# Altium PCB druino_uno_pcb.PcbDoc (part 2 of 3)
Units mm, origin at the board's own origin, x right, y up, seen from the top; angles counter-clockwise.
Board outline 68.58 x 53.34 mm, 4 copper layers (TOP, PWR, GND, BOT), stack 1.466 mm thick; 226 components, 133 nets, 716 pads, 313 vias.
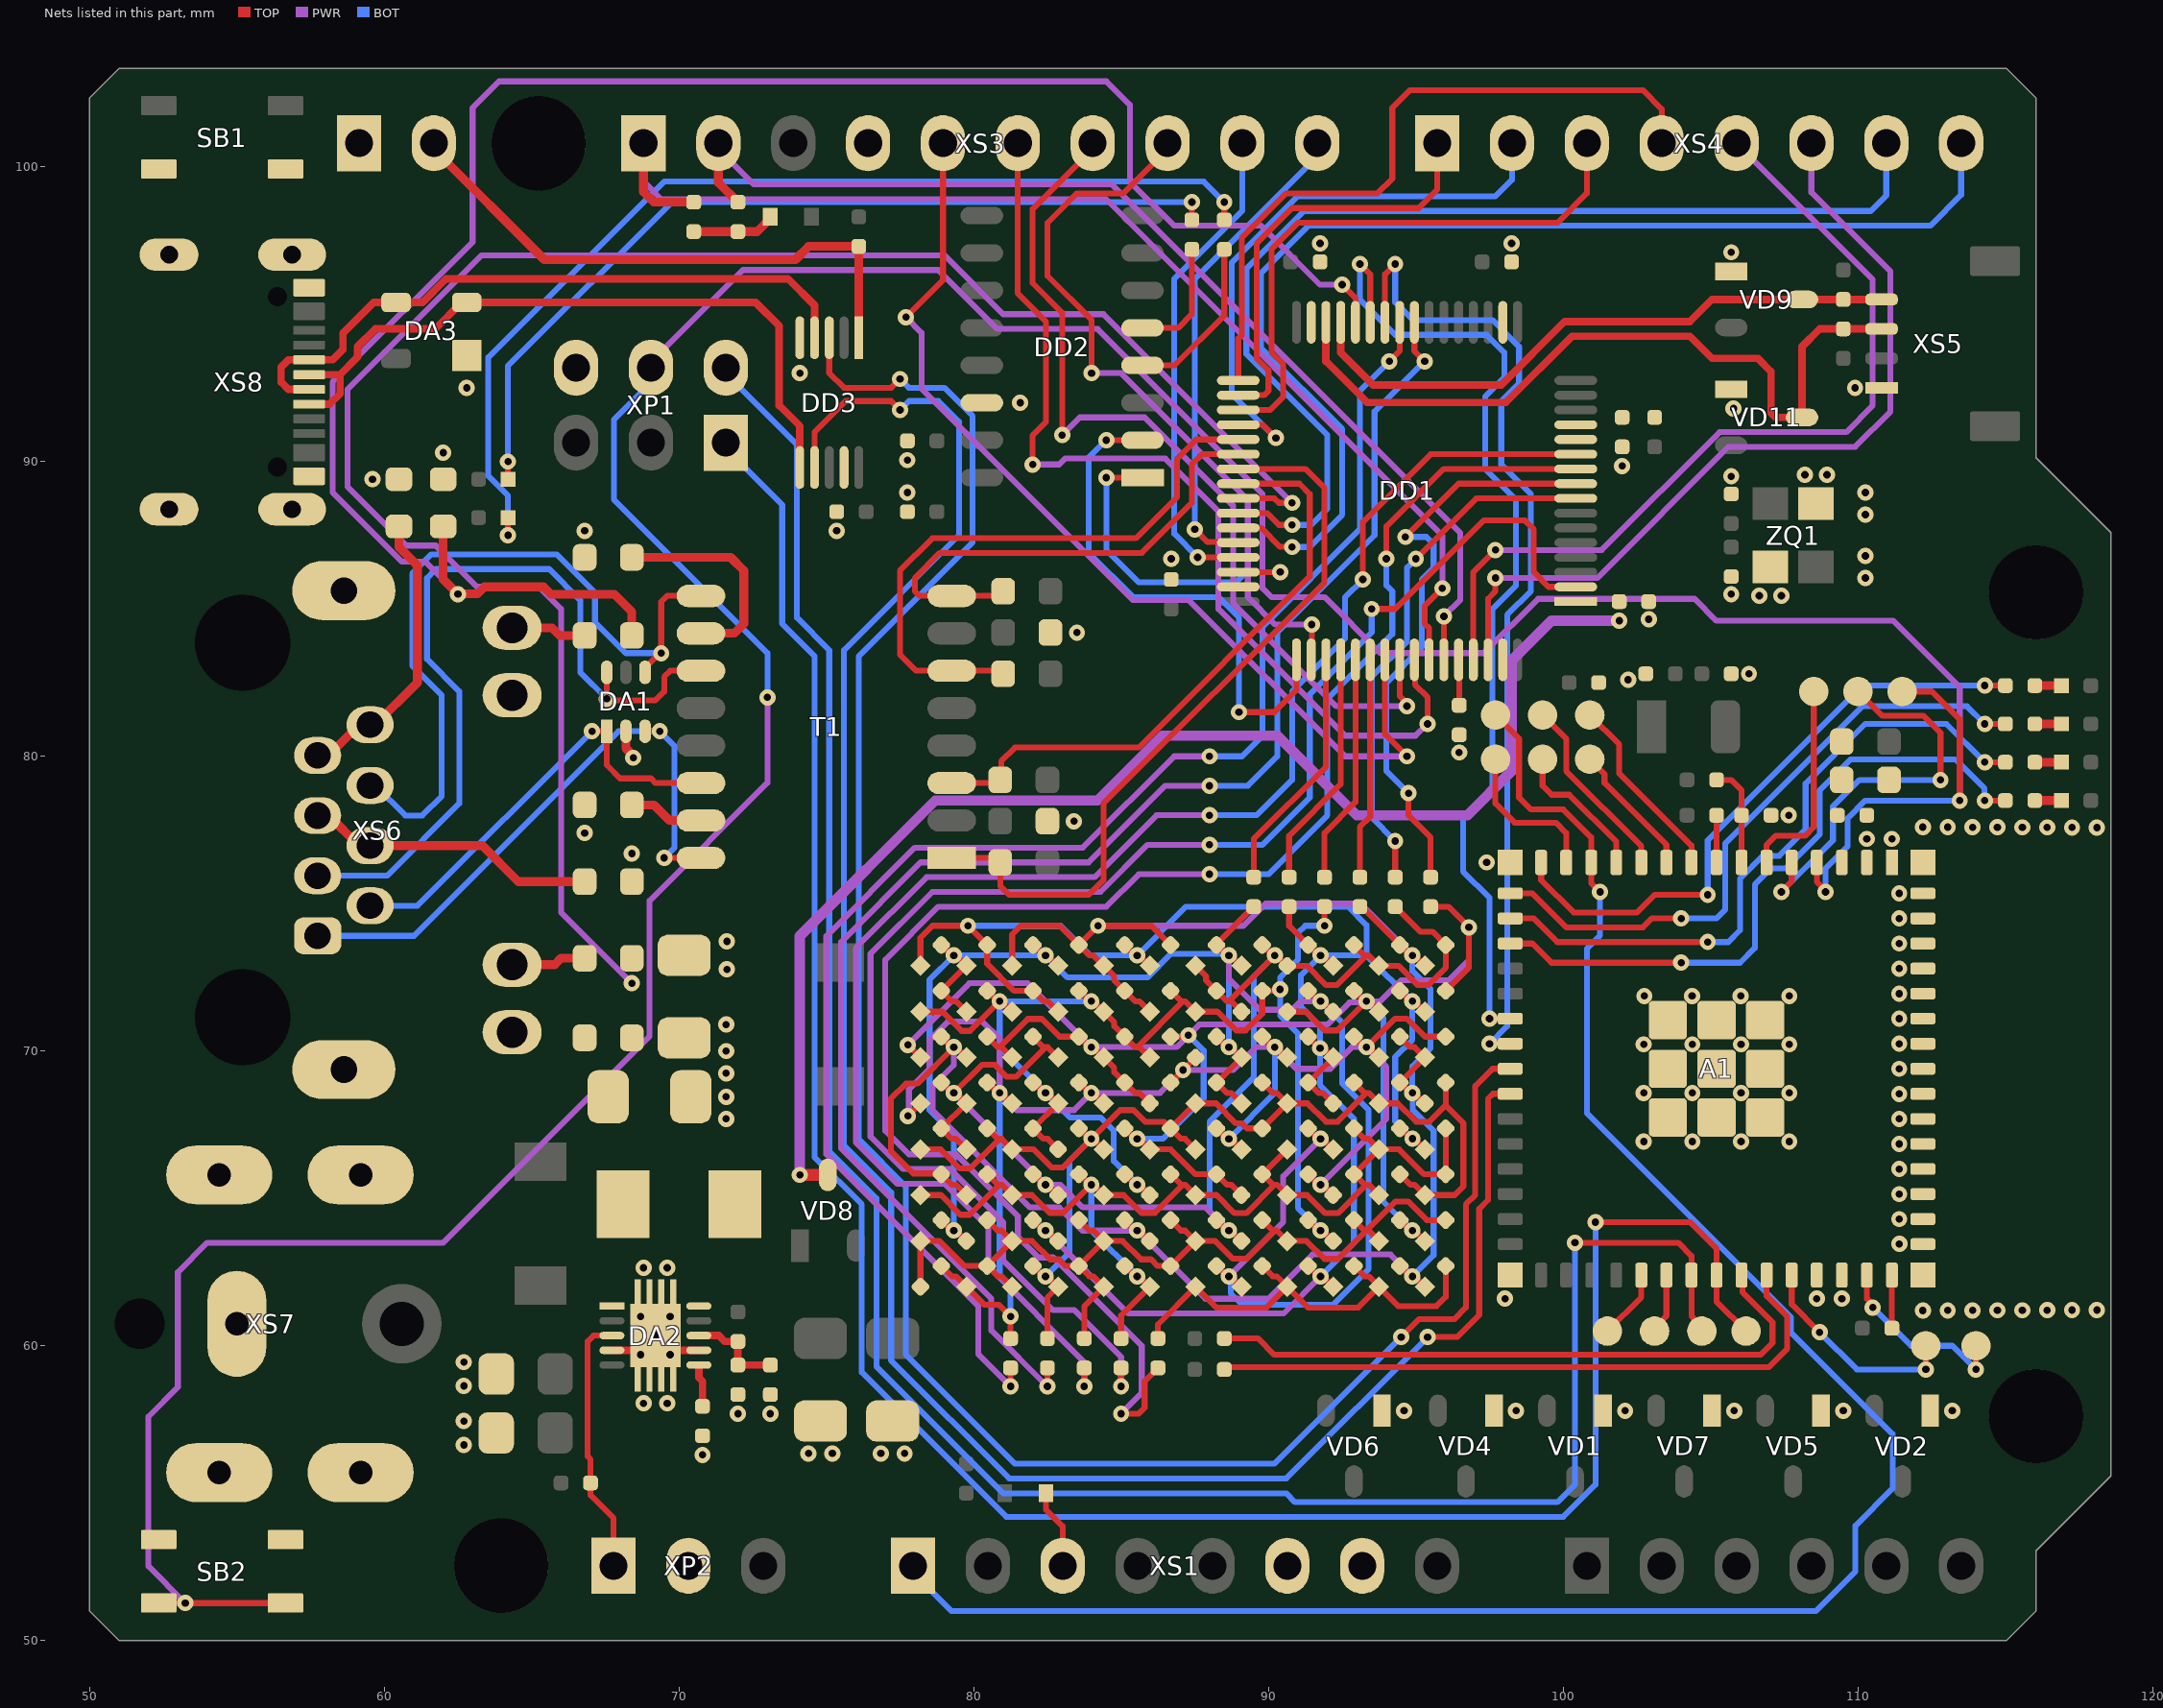
[diagram p4: the nets of this part, all layers, seen from the top]

## Via types
v1: diameter 0.55, hole 0.25, TOP to BOT, tented both sides, 313 vias

## Nets (pads, with @x,y where several pads share a name; then routed paths per layer and width w, separated by ;. In a path a pad name is that pad's centre, name@x,y a point inside that pad or via, vN(x,y) a via of type N, cw(c..) or ccw(c..) an arc to the next point about the centre after c; other vN are vias at no path point) (continued)
CH32_SWCLK: DD1.49 DD2.2 | length 17.8
  TOP w0.2: v1(84.5,90.725) DD2.2@85.725,90.725 ; v1(89,81.5) 90.2,81.5 90.95,82.25 DD1.49@90.95,83.275
  BOT w0.2: v1(84.5,90.725) 83.9,90.125 83.9,86.9 85.4,85.4 88.3,85.4 89,84.7 v1(89,81.5)
CH32_SWDIO: DD1.46 DD2.1 | length 11.4
  TOP w0.2: v1(84.5,89.455) DD2.1@85.725,89.455 ; DD1.46@88.975,86.25 v1(90.4,86.25)
  BOT w0.2: v1(84.5,89.455) 84.5,87 85.6,85.9 88.9,85.9 89.25,86.25 v1@90.2,86.25
CHANNEL_RX: A1.21 DD1.27 | length 34.1
  TOP w0.2: v1(93.1,96.7) 93.45,96.35 DD1.27@93.45,94.725 ; v1(97.5,71.1) A1.21@98.2,71.1
  BOT w0.2: v1(93.1,96.7) 93.1,95.5 94.3,94.3 97.4,94.3 98,93.7 98,92.85 97.35,92.2 97.35,89.75 98.4,88.7 98.4,85.8 97.6,85 97.6,78.9 96.6,77.9 96.6,76.1 97.5,75.2 v1(97.5,71.1)
CHANNEL_TX: A1.22 DD1.26 | length 33.8
  TOP w0.2: DD1.26@93.95,94.725 93.95,96.35 v1(94.3,96.7) ; v1(97.5,70.25) A1.22@98.2,70.25
  BOT w0.2: v1(94.3,96.7) 94.3,95.4 94.9,94.8 97.6,94.8 98.5,93.9 98.5,92.65 97.9,92.05 97.9,89.9 98.9,88.9 98.9,85.6 98.1,84.8 98.1,70.85 v1(97.5,70.25)
D0_RX: DD1.43 XS4.8 | length 40.2
  TOP w0.2: DD1.43@88.975,87.75 89.75,87.75 90.393,87.107 90.793,87.107 v1(90.8,87.1)
  BOT w0.2: v1(90.8,87.1) 91.4,87.1 92.5,88.2 92.5,91.1 89.75,93.85 89.75,96.4 91.35,98 112.45,98 113.5,99.05 XS4.8@113.5,100.8
D1_TX: DD1.42 XS4.7 | length 37.2
  TOP w0.2: DD1.42@88.975,88.25 89.95,88.25 90.35,87.85 v1(90.8,87.85)
  BOT w0.2: v1(90.8,87.85) 91.45,87.85 92,88.4 92,90.9 89.25,93.65 89.25,96.55 91.2,98.5 110.43,98.5 110.96,99.03 XS4.7@110.96,100.8
D2: DD1.62 XS4.6 | length 28.8
  TOP w0.2: DD1.62@97.45,83.275 97.45,85.35 97.7,85.6 v1(97.7,86.05)
  PWR w0.2: v1(97.7,86.05) 101.15,86.05 105.6,90.5 109.9,90.5 111.1,91.7 111.1,96.45 108.42,99.13 XS4.6@108.42,100.8
D3: DD1.61 XS4.5 | length 29.7
  TOP w0.2: DD1.61@96.95,83.275 96.95,86.25 v1(97.7,87)
  PWR w0.2: v1(97.7,87) 101.3,87 105.3,91 109.6,91 110.5,91.9 110.5,96.18 XS4.5@105.88,100.8
D4: DD1.33 XS4.4 | length 24
  TOP w0.2: DD1.33@88.975,92.75 88.975,94.175 89.1,94.3 89.1,97.6 90.6,99.1 93.7,99.1 94.2,99.6 94.2,102 94.8,102.6 102.7,102.6 103.34,101.96 XS4.4@103.34,100.8
D5: DD1.35 XS4.3 | length 20.1
  TOP w0.2: DD1.35@88.975,91.75 90.05,91.75 90.5,92.2 90.5,93.3 90.1,93.7 90.1,97.2 91,98.1 99.8,98.1 100.8,99.1 XS4.3@100.8,100.8
D6: DD1.36 XS4.2 | length 19.9
  TOP w0.2: DD1.36@88.975,91.25 89.8,91.25 v1(90.25,90.8)
  BOT w0.2: v1(90.25,90.8) 88.75,92.3 88.75,96.75 91,99 97.7,99 98.26,99.56 XS4.2@98.26,100.8
D7: DD1.34 XS4.1 | length 14.7
  TOP w0.2: DD1.34@88.975,92.25 89.85,92.25 90,92.4 90,93.1 89.6,93.5 89.6,97.4 90.8,98.6 95.1,98.6 95.72,99.22 XS4.1@95.72,100.8
D8: DD1.44 XS3.10 | length 16.5
  TOP w0.2: v1(87.5,87.7) 87.931,87.269 88.956,87.269 DD1.44@88.975,87.25
  BOT w0.2: v1(87.5,87.7) 87.5,96.2 91.656,100.356 XS3.10@91.656,100.8
D9: DD1.45 XS3.9 | length 16.8
  TOP w0.2: v1@87.5,86.75 DD1.45@88.975,86.75
  BOT w0.2: v1(87.6,86.75) 86.8,87.55 86.8,96.2 89.116,98.516 XS3.9@89.116,100.8
D10_FSS#: DD1.50 XS3.8 | length 25.2
  TOP w0.2: v1(84,93) 84,94.8 82.5,96.3 82.5,98.1 83.5,99.1 85.076,99.1 86.576,100.6 XS3.8@86.576,100.8 ; DD1.50@91.45,83.275 91.469,83.294 v1(91.469,84.469)
  PWR w0.2: v1(84,93) 85,93 89.3,88.7 89.3,85.4 90.231,84.469 v1(91.469,84.469) v1@91.5,84.5
D11_DIN: DD1.56 XS3.7 | length 30.8
  TOP w0.2: v1(83,90.9) 83,95.05 82,96.05 82,98.564 84.036,100.6 XS3.7@84.036,100.8 ; DD1.56@94.45,83.275 94.45,82.045 94.7,81.795 v1(94.7,81.7)
  PWR w0.2: v1(83,90.9) 83.6,91.5 85.8,91.5 88.8,88.5 88.8,85.2 92.3,81.7 v1(94.7,81.7)
D12_DOUT: DD1.57 XS3.6 | length 33.3
  TOP w0.2: XS3.6@81.496,100.8 81.496,95.704 82.45,94.75 82.45,91.339 82,90.889 v1(82,89.9) ; DD1.57@94.95,83.275 94.969,83.256 94.969,82.431 95.4,82 v1(95.4,81.1)
  PWR w0.2: v1(82,89.9) 82.9,89.9 83.1,90.1 86.5,90.1 88.3,88.3 88.3,85 92.6,80.7 94.987,80.7 95.387,81.1 v1(95.4,81.1)
D13_SCLK: DD1.55 XS3.5 | length 34.3
  TOP w0.2: v1(77.7,94.9) 78.956,96.156 XS3.5@78.956,100.8 ; DD1.55@93.95,83.275 93.95,80.75 v1(94.7,80)
  PWR w0.2: v1(77.7,94.9) 78.232,94.368 78.232,92.468 85.4,85.3 87.3,85.3 92.6,80 v1(94.7,80)
D18_SDA: DD1.59 R7.2 XS3.2 | length 37.6
  TOP w0.2: DD1.59@95.95,83.275 v1(95.95,84.75)
  TOP w0.3: XS3.2@71.336,100.8 71.336,99.464 R7.2@72,98.8
  PWR w0.2: XS3.2@71.336,100.8 71.336,100.6 72.536,99.4 84.687,99.4 96.5,87.587 96.5,85.3 v1(95.95,84.75)
D19_SCL: DD1.58 R6.2 XS3.1 | length 41.4
  TOP w0.2: DD1.58@95.45,83.275 95.45,84.35 95.3,84.5 95.3,85.1 v1(95.9,85.7)
  TOP w0.3: XS3.1@68.796,100.8 68.796,99.154 69.15,98.8 R6.2@70.5,98.8
  PWR w0.2: XS3.1@68.796,100.8 68.796,99.504 69.4,98.9 84.488,98.9 95.9,87.488 v1(95.9,85.7)
EGND: C15.1 DA1.2 R22.1 R23.1 R24.1 R25.1 | length 0.9
  TOP w0.3: DA1.2@68.2,80.85 68.2,80.268 v1@68.45,80.018
  other v1: 71.625,72.775 71.625,73.725 68.4,76.7 66.8,77.4 68.45,79.95 66.8,87.65 59.6,89.4
ESP32_IO: A1.13 KT14.1 XS1.1 | length 69.5
  TOP w0.2: KT14.1@97.7,81.4 98.5,80.6 98.5,78.6 98.9,78.2 99.997,78.2 100.95,77.247 A1.13@100.95,76.4 100.95,75.7 v1(101.25,75.4)
  BOT w0.2: XS1.1@77.94,52.54 78.59,51.89 78.59,51.66 79.25,51 108.565,51 109.91,52.345 109.91,53.897 111.175,55.162 111.175,57.012 107.725,60.462 107.725,60.975 100.8,67.9 100.8,73.475 101.25,73.925 v1(101.25,75.4)
ESP32_LED0: A1.15 R8.2 | length 21.1
  TOP w0.2: A1.15@99.25,76.4 99.251,76.399 99.251,75.799 100.35,74.7 102.5,74.7 103.1,75.3 v1(104.9,75.3) ; v1(114.3,82.4) R8.2@115,82.4
  BOT w0.2: v1(104.9,75.3) 104.9,77.15 110.15,82.4 v1(114.3,82.4)
ESP32_LED1: A1.16 R9.2 | length 22
  TOP w0.2: A1.16@98.2,75.35 98.95,75.35 100.1,74.2 102.7,74.2 103.01,74.51 103.99,74.51 v1(104,74.5) ; v1(114.3,81.1) R9.2@115,81.1
  BOT w0.2: v1(104,74.5) 105.2,74.5 105.5,74.8 105.5,77.05 110.15,81.7 113.7,81.7 v1(114.3,81.1)
ESP32_LED2: A1.17 R10.2 | length 22.7
  TOP w0.2: A1.17@98.2,74.5 99,74.5 99.8,73.7 v1(104.9,73.7) ; v1(114.3,79.8) R10.2@115,79.8
  BOT w0.2: v1(104.9,73.7) 105.6,73.7 106,74.1 106,75.85 106.775,76.625 107.325,76.625 108.225,77.525 108.225,79.075 110.25,81.1 113,81.1 v1(114.3,79.8)
ESP32_LED3: A1.18 R11.2 | length 22.9
  TOP w0.2: A1.18@98.2,73.65 98.95,73.65 99.6,73 v1(104,73) ; v1(114.3,78.5) R11.2@115,78.5
  BOT w0.2: v1(104,73) 106,73 106.5,73.5 106.5,75.65 107.05,76.2 107.55,76.2 108.7,77.35 108.7,78.85 109.75,79.9 113.3,79.9 114.293,78.907 114.293,78.507 v1(114.3,78.5)
ESP32_RESET#: A1.45 R14.1 | length 1.8
  TOP w0.2: R14.1@111.15,60.6 A1.45@111.15,62.4
ESP32_RX: A1.39 R13.2 | length 21.7
  TOP w0.2: R13.2@88.5,60.25 89.65,60.25 90.2,59.7 106.7,59.7 107.1,60.1 107.1,60.8 106.076,61.824 106.076,62.374 A1.39@106.05,62.4
ESP32_TX: A1.40 R12.2 | length 22.2
  TOP w0.2: R12.2@88.5,59.2 88.575,59.275 106.975,59.275 107.6,59.9 107.6,60.996 106.901,61.694 106.901,62.399 A1.40@106.9,62.4
ESP32_USB_N: A1.23 DD3.3 | length 72.8
  TOP w0.2: DD3.3@75.1,94.2 75.1,93 75.6,92.5 77.2,92.5 v1(77.5,92.8) ; v1(94.5,60.3) 95.1,60.9 96.3,60.9 96.7,61.3 96.7,64.8 97.014,65.114 97.014,68.814 97.6,69.4 A1.23@98.2,69.4
  BOT w0.2: v1(77.5,92.8) 77.8,92.5 79,92.5 79.96,91.54 79.96,87.26 76.1,83.4 76.1,67 77.7,65.4 77.7,59.7 81.4,56 90.2,56 v1(94.5,60.3)
ESP32_USB_P: A1.24 DD3.7 | length 73.4
  TOP w0.2: DD3.7@74.6,89.8 74.606,89.806 74.606,91.006 75.65,92.05 77.2,92.05 v1(77.5,91.75) ; v1(95.4,60.3) 96.4,60.3 97.15,61.05 97.15,64.65 97.45,64.95 97.45,68.383 97.617,68.55 A1.24@98.2,68.55
  BOT w0.2: v1(77.5,91.75) 77.8,92.05 78.8,92.05 79.5,91.35 79.5,87.5 75.6,83.6 75.6,66.8 77.2,65.2 77.2,59.5 81.2,55.5 90.6,55.5 v1(95.4,60.3)
ESP_DOWNLOAD: A1.4 KT7.1 SB2.1 SB2.2 XP1.4 | length 134.9
  TOP w0.2: SB2.2@52.35,51.275 v1(53.25,51.275) SB2.1@56.65,51.275 ; A1.4@108.6,76.4 108.6,75.748 108.9,75.448 v1(108.9,75.4) ; KT7.1@111.5,82.2 112.5,82.2 113.45,81.25 v1(113.45,78.5)
  PWR w0.2: v1(53.25,51.275) 52,52.525 52,57.6 53,58.6 53,62.5 54,63.5 62,63.5 69,70.5 69,75.1 73,79.1 v1(73,82) ; XP1.4@69.05,93.18 69.05,93.38 72.17,96.5 78.8,96.5 80.8,94.5 84.2,94.5 89.8,88.9 89.8,85.7 90.1,85.4 91.9,85.4 93.8,83.5 97.3,83.5 99.144,85.344 104.456,85.344 105.2,84.6 111.2,84.6 113.45,82.35 v1(113.45,78.5)
  BOT w0.2: XP1.4@69.05,93.18 69.05,92.68 67.8,91.43 67.8,88.7 73,83.5 v1(73,82) ; v1(108.9,75.4) 108.9,76.2 109.65,76.95 109.65,77.9 110.25,78.5 v1(113.45,78.5)
ETH10_RX_N: DD1.38 R21.2 T1.8 | length 17.1
  TOP w0.2: R21.2@81,85.6 80.845,85.445 T1.8@79.255,85.445 78.155,85.445 78,85.6 78,86.05 78.85,86.9 85.7,86.9 87.4,88.6 87.4,89.9 87.75,90.25 DD1.38@88.975,90.25
ETH10_RX_P: DD1.37 R19.2 T1.6 | length 20.7
  TOP w0.2: R19.2@81,82.8 80.895,82.905 T1.6@79.255,82.905 78.045,82.905 77.5,83.45 77.5,86.3 78.6,87.4 85.5,87.4 86.9,88.8 86.9,90.1 87.55,90.75 DD1.37@88.975,90.75
ETH10_TX_N: DD1.40 R18.1 T1.3 | length 20.8
  TOP w0.2: T1.3@79.255,79.095 80.795,79.095 80.933,79.233 80.933,79.833 81.4,80.3 85.6,80.3 91.4,86.1 91.4,88.9 91.05,89.25 DD1.40@88.975,89.25
ETH10_TX_P: DD1.39 R20.1 T1.1 | length 25.9
  TOP w0.2: T1.1@79.255,76.555 80.745,76.555 R20.1@80.9,76.4 80.9,75.6 81.2,75.3 83.9,75.3 84.4,75.8 84.4,78.4 91.9,85.9 91.9,89.1 91.25,89.75 DD1.39@88.975,89.75
GND: A1.1 A1.2 A1.42 A1.43 A1.46 A1.47 A1.48 A1.49 A1.50 A1.51 A1.52 A1.53 A1.54 A1.55 A1.56 A1.57 A1.58 A1.59 A1.60 A1.EP C1.2 C2.2 C3.2 C4.2 C5.2 C6.2 C7.1 C8.2 C9.2 C10.1 C11.1 C12.2 C13.1 C14.1 C15.2 C16.1 C17.1 C18.1 C19.2 C20.2 C21.1 C22.1 C23.2 C24.2 C25.2 DA2.4 DA2.7 DA2.EP DA3.1 DD1.12 DD1.18 DD1.31 DD1.47 DD1.63 DD2.14 DD3.5 DD3.9 R2.2 R4.2 R16.2 R28.1 R31.2 SB1.1 SB1.2 SB2.3 SB2.4 VD1.1 VD2.1 VD4.1 VD5.1 VD6.1 VD7.1 VD9.1 VD11.1 XP1.6 XP2.2 XP3.1 XS1.6 XS1.7 XS3.4 XS5.1 XS6.9 XS6.11 XS7.2 XS7.3 XS8.A1 XS8.B1 XS8.M1 XS8.M2 XS8.M3 XS8.M4 ZQ1.2 ZQ1.4 | length 2.1
  TOP w0.25: DA2.4@67.725,59.85 68.55,59.85 v1(68.7,59.7) ; v1(69.7,59.7) 69.85,59.85 DA2.7@70.675,59.85
  other v1: 70.8,56.3 74.395,56.35 75.205,56.35 76.85,56.35 77.655,56.35 62.7,56.64 62.7,57.45 72,57.7 73.1,57.7 94.6,57.8 98.4,57.8 102.1,57.8 105.8,57.8 109.5,57.8 113.2,57.8 68.8,58.05 69.6,58.05 62.7,58.64 62.7,59.45 69.2,60.35 68.7,61 69.7,61 112.2,61.2 113.044,61.202 113.887,61.204 114.731,61.207 115.574,61.209 116.418,61.211 117.261,61.213 118.105,61.215 98.025,61.6 108.6,61.6 109.45,61.6 68.8,62.65 69.6,62.65 111.402,63.456 111.4,64.3 111.4,65.15 111.4,66 111.4,66.85 102.73,66.93 104.38,66.93 106.03,66.93 107.67,66.93 71.6,67.7 111.4,67.7 71.6,68.45 111.4,68.55 102.73,68.58 104.38,68.58 106.03,68.58 107.67,68.58 71.6,69.25 111.4,69.4 71.6,70 102.73,70.23 104.38,70.23 106.03,70.23 107.67,70.23 111.4,70.25 71.6,70.9 111.4,71.1 102.75,71.87 104.37,71.87 106.02,71.87 107.67,71.87 111.4,71.95 111.4,72.8 111.4,73.65 111.4,74.5 111.4,75.35 97.4,76.4 110.3,77.2 111.15,77.2 112.2,77.6 113.044,77.598 113.887,77.596 114.731,77.593 115.574,77.591 116.418,77.589 117.261,77.587 118.105,77.585 83.4,77.8 107.65,78 96.469,80.131 102.2,82.6 106.3,82.8 83.5,84.2 102.9,84.65 106.65,85.45 107.4,85.45 105.7,85.5 110.25,86.05 86.7,86.7 110.25,86.8 75.35,87.65 110.25,88.2 77.75,88.95 110.25,88.95 105.7,89.5 108.2,89.55 108.95,89.55 102,89.85 77.75,90.05 62,90.3 105.775,91.8 81.575,91.995 62.8,92.5 109.9,92.5 74.1,93 105.7,97.1 91.75,97.4 98.25,97.4
GPIO_ROW0: DD1.51 R35.2 | length 8.4
  TOP w0.2: R35.2@89.5,75.9 89.5,77.2 91.95,79.65 DD1.51@91.95,83.275
GPIO_ROW1: DD1.52 R36.2 | length 8.1
  TOP w0.2: R36.2@90.7,75.9 90.7,77.3 92.45,79.05 DD1.52@92.45,83.275
GPIO_ROW2: DD1.54 R37.2 | length 7.5
  TOP w0.2: R37.2@93.1,75.9 93.1,77.6 93.45,77.95 DD1.54@93.45,83.275
GPIO_ROW3: DD1.8 R38.2 | length 18
  TOP w0.2: R38.2@94.3,75.9 v1(94.3,77.125) ; v1(95,86.7) 97.05,88.75 DD1.8@100.425,88.75
  BOT w0.2: v1(94.3,77.125) 93.5,77.925 93.5,82.7 94.7,83.9 94.7,86.4 v1(95,86.7)
GPIO_ROW4: DD1.53 R39.2 | length 7.8
  TOP w0.2: R39.2@91.9,75.9 91.9,77.4 92.95,78.45 DD1.53@92.95,83.275
GPIO_ROW5: DD1.9 R40.2 | length 20.2
  TOP w0.2: v1(94.643,87.443) 96.45,89.25 DD1.9@100.425,89.25 ; v1(94.75,78.75) 94.75,78 95.5,77.25 R40.2@95.5,75.9
  BOT w0.2: v1(94.643,87.443) 95.357,87.443 95.6,87.2 95.6,86.4 95.2,86 95.2,83.7 94,82.5 94,79.5 v1(94.75,78.75)
GPIO_ROW6: DD1.25 R41.2 | length 52.1
  TOP w0.2: v1(81.25,58.625) R41.2@81.25,59.25 ; v1(94.1,93.4) 94.45,93.75 DD1.25@94.45,94.725
  PWR w0.2: v1(81.25,58.625) 80.15,59.725 80.15,61.35 75,66.5 75,73.9 78,76.9 83.7,76.9 86.8,80 v1(88,80)
  BOT w0.2: v1(88,80) 89.1,80 89.8,80.7 89.8,84.4 93.1,87.7 93.1,92.4 v1(94.1,93.4)
GPIO_ROW7: DD1.24 R42.2 | length 53
  TOP w0.2: v1(82.5,58.625) R42.2@82.5,59.25 ; DD1.24@94.95,94.725 94.95,93.75 v1(95.3,93.4)
  PWR w0.2: v1(82.5,58.625) 80.6,60.525 80.6,61.6 75.5,66.7 75.5,73.7 78.2,76.4 83.9,76.4 86.5,79 v1(88,79)
  BOT w0.2: v1(88,79) 89.3,79 90.3,80 90.3,84.2 93.6,87.5 93.6,91.7 v1(95.3,93.4)
GPIO_ROW8: DD1.2 R43.2 | length 54.5
  TOP w0.2: v1(85,58.625) R43.2@85,59.25 ; v1(93.5,85) 94.3,85 97.3,88 98.7,88 99,87.7 99,86.25 99.5,85.75 DD1.2@100.425,85.75
  PWR w0.2: v1(85,58.625) 85,59.625 83.415,61.21 82.69,61.21 81,62.9 81,64.2 79.2,66 77.6,66 76.5,67.1 76.5,73.3 78.6,75.4 84.3,75.4 85.9,77 v1(88,77)
  BOT w0.2: v1(88,77) 89.8,77 91.4,78.6 91.4,82.1 93.5,84.2 v1(93.5,85)
GPIO_ROW9: DD1.11 R44.2 | length 54.7
  TOP w0.2: v1(83.75,58.625) R44.2@83.75,59.25 ; v1(93.2,86) 93.2,87.95 95.5,90.25 DD1.11@100.425,90.25
  PWR w0.2: v1(83.75,58.625) 83.75,59.45 80.5,62.7 80.5,64 79,65.5 77.4,65.5 76,66.9 76,73.5 78.4,75.9 84.1,75.9 86.2,78 v1(88,78)
  BOT w0.2: v1(88,78) 89.6,78 90.8,79.2 90.8,82.2 92.6,84 92.6,85.4 v1(93.2,86)
GPIO_ROW10: DD1.10 R45.2 | length 58
  TOP w0.2: v1(85,57.7) 85.6,57.7 85.8,57.9 85.8,58.8 R45.2@86.25,59.25 ; v1(94,86.7) 94,87.8 95.95,89.75 DD1.10@100.425,89.75
  PWR w0.2: v1(85,57.7) 85.7,58.4 85.7,60 82.7,63 82.2,63 81.5,63.7 81.5,64.4 79.4,66.5 77.8,66.5 77,67.3 77,73.1 78.8,74.9 84.5,74.9 85.6,76 v1(88,76)
  BOT w0.2: v1(88,76) 90,76 92,78 92,81.95 94.2,84.15 94.2,85.6 94,85.8 v1(94,86.7)
IO_41_MTDI: A1.37 KT3.1 XP1.2 | length 76.9
  TOP w0.2: v1(100.4,63.5) 103.9,63.5 104.35,63.05 A1.37@104.35,62.4 104.35,61.017 104.7,60.667 KT3.1@104.7,60.5
  BOT w0.2: XP1.2@71.59,93.18 71.59,92.98 74,90.57 74,84.7 75.1,83.6 75.1,66.6 76.7,65 76.7,59.3 81,55 90.6,55 90.9,54.7 99.8,54.7 100.4,55.3 v1(100.4,63.5)
IO_42_MTMS: A1.38 KT4.1 XP1.1 | length 77.4
  TOP w0.2: v1(101.093,64.193) 104.307,64.193 105.2,63.3 A1.38@105.2,62.4 105.2,61.5 KT4.1@106.2,60.5
  BOT w0.2: XP1.1@71.59,90.64 71.59,90.44 73.5,88.53 73.5,84.5 74.6,83.4 74.6,66.4 76.2,64.8 76.2,59.1 81.1,54.2 100,54.2 101.093,55.293 v1(101.093,64.193)
IO_45: A1.41 KT5.1 | length 7.3
  TOP w0.2: A1.41@107.75,62.4 107.75,61.411 v1(108.7,60.461) ; v1(112.3,59.2) KT5.1@112.3,60
  BOT w0.2: v1(108.7,60.461) 109.961,59.2 v1(112.3,59.2)
IO_46: A1.44 KT6.1 | length 6.4
  TOP w0.2: A1.44@110.3,62.4 110.3,61.595 110.5,61.395 v1(110.5,61.3) ; v1(114,59.2) KT6.1@114,60
  BOT w0.2: v1(110.5,61.3) 111.8,60 113.2,60 v1(114,59.2)
LED_CON: DD2.5 R34.2 | length 4.1
  TOP w0.2: DD2.5@85.725,94.535 86.935,94.535 87.4,95 R34.2@87.4,97.2
LED_GREEN: DD1.41 R26.2 | length 65.3
  TOP w0.2: DD1.41@88.975,88.75 90.2,88.75 90.35,88.6 v1(90.8,88.6)
  PWR w0.2: v1(68.4,72.3) 66,74.7 66,85 65.25,85.75 63.15,85.75 61.75,87.15 60.75,87.15 58.75,89.15 58.75,92.45 63.3,97 79,97 81,95 84.4,95 v1(90.8,88.6)
LED_RED: DD1.28 R4.1 R27.2 | length 66.1
  TOP w0.2: v1(92.5,96) 92.95,95.55 DD1.28@92.95,94.725
  TOP w0.3: R4.1@62,87.8 62,86 v1(62.5,85.5) 62.513,85.513 63.163,85.513 63.4,85.75 65.4,85.75 65.65,85.5 67.8,85.5 68.4,84.9 R27.2@68.4,84.1
  PWR w0.2: v1(62.5,85.5) 61.4,86.6 60.6,86.6 58.25,88.95 58.25,92.7 63,97.45 63,102 63.9,102.9 84.5,102.9 85.3,102.1 85.3,99.5 86.8,98 89.75,98 91.75,96 v1(92.5,96)
LED_RUN: DD2.4 R33.2 | length 5.7
  TOP w0.2: DD2.4@85.725,93.265 86.815,93.265 88.5,94.95 R33.2@88.5,97.2
MCU_VBAT: C1.1 DD1.1 VD8.3 | length 45.7
  TOP w0.4: v1(74.1,65.8) VD8.3@75.05,65.8
  PWR w0.35: v1(74.1,65.8) 74.1,73.9 78.7,78.5 84.2,78.5 86.4,80.7 90.3,80.7 93,78 96.75,78 98.25,79.5 98.25,83.25 99.6,84.6 v1(101.9,84.6)
MTCK: A1.35 KT1.1 | length 2.4
  TOP w0.2: KT1.1@101.5,60.5 102.65,61.65 A1.35@102.65,62.4
MTDO: A1.36 KT2.1 | length 2.1
  TOP w0.2: KT2.1@103.1,60.5 103.1,60.617 103.5,61.017 A1.36@103.5,62.4
NetA1_3: A1.3 C11.2 C12.1 Z2.1
NetA1_5: A1.5 KT8.1 | length 13.7
  TOP w0.2: v1(107.4,75.4) 107.75,75.75 A1.5@107.75,76.4 ; KT8.1@110,82.2 110.824,81.376 112.224,81.376 112.8,80.8 v1(112.8,79.2)
  BOT w0.2: v1(107.4,75.4) 109.15,77.15 109.15,78.3 110.05,79.2 v1@112.7,79.2
NetA1_6: A1.6 KT9.1 | length 7
  TOP w0.2: A1.6@106.9,76.4 106.9,77 107.2,77.3 108.2,77.3 108.5,77.6 KT9.1@108.5,82.2
NetA1_7: A1.7 R15.2 R16.1 | length 3.4
  TOP w0.2: R15.2@105.2,79.2 105.7,79.2 106.05,78.85 R16.1@106.05,78 A1.7@106.05,76.4
NetA1_8: A1.8 R17.2 | length 1.6
  TOP w0.2: A1.8@105.2,76.4 R17.2@105.2,78
NetA1_9: A1.9 KT10.1 | length 6.4
  TOP w0.2: KT10.1@100.9,81.4 101.9,80.4 101.9,79.42 104.35,76.97 A1.9@104.35,76.4
NetA1_10: A1.10 KT11.1 | length 4.6
  TOP w0.2: KT11.1@100.9,79.9 101.4,79.4 101.4,79.1 103.499,77.001 A1.10@103.5,76.4 A1.10@103.5,76.4
NetA1_11: A1.11 KT12.1 | length 6.4
  TOP w0.2: KT12.1@99.3,81.4 100.1,80.6 100.1,79.5 102.65,76.95 A1.11@102.65,76.4
NetA1_12: A1.12 KT13.1 | length 4.9
  TOP w0.2: KT13.1@99.3,79.9 99.3,79 99.6,78.7 100.2,78.7 101.8,77.1 A1.12@101.8,76.4
NetA1_14: A1.14 KT15.1 | length 5.3
  TOP w0.2: KT15.1@97.7,79.9 97.7,78.4 98.351,77.749 99.751,77.749 100.1,77.4 A1.14@100.1,76.4
NetC5_1: C5.1 DD1.13 Z1.1
NetC16_2: C16.2 R28.2 XS6.M1 XS6.M2
NetC19_1: C19.1 DA2.6 | length 1.5
  TOP w0.254: DA2.6@70.675,59.35 70.675,58.925 70.8,58.8 C19.1@70.8,57.95
NetC20_1: C20.1 DA2.8 R30.2 R31.1 | length 3.3
  TOP w0.254: DA2.8@70.675,60.35 71.35,60.35 71.55,60.15 R30.2@72,60.15 R31.1@72,59.35 C20.1@73.1,59.35
NetDA2_1: DA2.1 L1.1
NetDA2_10: DA2.10 L1.2
NetDA3_2: DA3.2 DD3.6 XS8.A6 XS8.B6 | length 24.4
  TOP w0.254: XS8.B6@57.45,91.95 58.15,91.95 58.5,92.3 58.5,92.95 ; XS8.A6@57.45,92.95 58.5,92.95 ; DD3.6@74.1,89.8 74.1,91.2 73.4,91.9 73.4,94.6 72.6,95.4 DA3.2@62.8,95.4 62.625,95.4 61.725,94.5 59.7,94.5 59.1,93.9 59.1,93.55 58.5,92.95
NetDA3_3: DA3.3 DD3.4 XS8.A7 XS8.B7 | length 22.9
  TOP w0.254: XS8.A7@57.448,92.452 56.748,92.452 56.5,92.7 56.502,92.702 56.502,93.202 56.75,93.45 XS8.B7@57.45,93.45 58.25,93.45 58.6,93.8 58.6,94.355 59.645,95.4 61.3,95.4 62.1,96.2 73.7,96.2 74.6,95.3 74.6,94.1 DD3.4@74.6,94.2
NetDD1_60: DD1.60 R2.1 | length 1.6
  TOP w0.2: DD1.60@96.45,83.275 96.469,83.256 R2.1@96.469,81.731
NetDD3_1: DD3.1 R32.2 XP3.2 | length 19.5
  TOP w0.3: XP3.2@61.684,100.8 61.684,100.6 65.434,96.85 73.95,96.85 74.4,97.3 R32.2@76.1,97.3 DD3.1@76.1,94.2
NetHL1_1: HL1.1 R8.1 | length 0.9
  TOP w0.3: R8.1@116,82.4 HL1.1@116.9,82.4
NetHL2_1: HL2.1 R9.1 | length 0.9
  TOP w0.3: R9.1@116,81.1 HL2.1@116.9,81.1
NetHL3_1: HL3.1 R10.1 | length 0.9
  TOP w0.3: R10.1@116,79.8 HL3.1@116.9,79.8
NetHL4_1: HL4.1 R11.1 | length 0.9
  TOP w0.3: R11.1@116,78.5 HL4.1@116.9,78.5
NetHL5_1: HL5.1 R33.1 | length 35.2
  TOP w0.2: v1(64.2,87.5) HL5.1@64.2,88.1 ; R33.1@88.5,98.2 v1(88.5,98.8)
  BOT w0.2: v1(64.2,87.5) 64.2,88.85 63.532,89.518 63.532,93.532 69.5,99.5 87.8,99.5 v1(88.5,98.8)
NetHL6_1: HL6.1 R34.1 | length 29.9
  TOP w0.2: HL6.1@64.2,89.4 v1(64.2,90) ; R34.1@87.4,98.2 v1(87.4,98.8)
  BOT w0.2: v1(64.2,90) 64.2,93.25 69.75,98.8 v1(87.4,98.8)
NetR6_1: R6.1 R7.1 VD10.1 | length 2.8
  TOP w0.3: R6.1@70.5,97.8 R7.1@72,97.8 72.65,97.8 73.1,98.25 VD10.1@73.1,98.3
NetR22_2: R22.2 T1.10 | length 7.4
  TOP w0.3: R22.2@68.4,86.75 71.75,86.75 72.2,86.3 72.2,84.5 71.875,84.175 T1.10@70.745,84.175
NetR23_2: R23.2 T1.15 | length 2.6
  TOP w0.3: R23.2@68.4,78.35 69.15,78.35 69.675,77.825 T1.15@70.745,77.825
NetR24_2: R24.2 XS6.4 XS6.5 | length 10
  TOP w0.3: XS6.5@57.74,77.99 58.12,77.99 59.14,76.97 XS6.4@59.52,76.97 63.33,76.97 64.55,75.75 R24.2@66.8,75.75
NetR25_2: R25.2 XS6.7 XS6.8 | length 10
  TOP w0.3: XS6.7@57.74,80.03 58.11,80.03 59.15,81.07 XS6.8@59.52,81.07 59.695,81.07 61.125,82.5 61.125,86.475 60.5,87.1 R25.2@60.5,87.8
NetR26_1: R26.1 XS6.10 | length 2.6
  TOP w0.3: XS6.10@64.34,72.93 65.78,72.93 66,73.15 R26.1@66.8,73.15
NetR27_1: R27.1 XS6.12 | length 2.6
  TOP w0.3: XS6.12@64.34,84.36 65.69,84.36 65.95,84.1 R27.1@66.8,84.1
NetVD3_1: VD3.1 XS1.3 | length 2.7
  TOP w0.2: VD3.1@82.45,55 82.45,54.45 83.02,53.88 XS1.3@83.02,52.54
POWER_OFF: DA2.3 R29.2 XP2.1 | length 8.8
  TOP w0.2: DA2.3@67.725,60.35 67.1,60.35 66.9,60.15 66.9,56.25 67,56.15 R29.2@67,55.35 67,54.93 67.78,54.15 ; XP2.1@67.78,52.54 67.78,54.1
QWIIC_SCL: DD1.29 R3.2 VD9.3 XS5.4 | length 21
  TOP w0.254: DD1.29@92.45,94.725 92.45,93.7 93.55,92.6 97.9,92.6 100.05,94.75 104.3,94.75 105.05,95.5 VD9.3@108.1,95.5 R3.2@109.5,95.5 XS5.4@110.8,95.5
QWIIC_SDA: DD1.30 R5.2 VD11.3 XS5.3 | length 26.3
  TOP w0.254: DD1.30@91.95,94.725 91.95,93.4 93.35,92 98.05,92 100.3,94.25 104.3,94.25 105.05,93.5 106.6,93.5 107.05,93.05 107.05,91.65 107.2,91.5 VD11.3@108.1,91.5 108.1,93.9 108.7,94.5 R5.2@109.5,94.5 XS5.3@110.8,94.5
RJ45_RX_N: DA1.4 T1.9 XS6.6 | length 25.7
  TOP w0.2: DA1.4@68.85,82.85 68.85,83 69.35,83.5 v1(69.4,83.5) 69.4,85.245 69.6,85.445 T1.9@70.745,85.445
  BOT w0.2: XS6.6@59.52,79.01 59.695,79.01 60.715,77.99 61.29,77.99 61.95,78.65 61.95,82.075 60.95,83.075 60.95,86.2 61.6,86.85 65.85,86.85 67.15,85.55 67.15,84.55 68.2,83.5 v1@69.2,83.5
RJ45_RX_P: DA1.6 T1.11 XS6.3 | length 28.2
  TOP w0.2: DA1.6@67.55,82.85 v1(67.55,81.95) 67.6,81.9 69.2,81.9 69.5,82.2 69.5,82.7 69.705,82.905 T1.11@70.745,82.905
  BOT w0.2: XS6.3@57.74,75.95 60.1,75.95 62.55,78.4 62.55,82.2 61.45,83.3 61.45,86.05 61.75,86.35 65.6,86.35 66.65,85.3 66.65,82.85 v1(67.55,81.95)
RJ45_TX_N: DA1.1 T1.14 XS6.2 | length 15.1
  TOP w0.2: v1(67.05,80.85) DA1.1@67.55,80.85 67.55,79.7 68,79.25 69.05,79.25 69.205,79.095 T1.14@70.745,79.095
  BOT w0.2: XS6.2@59.52,74.93 61.13,74.93 v1(67.05,80.85)
RJ45_TX_P: DA1.3 T1.16 XS6.1 | length 20.9
  TOP w0.2: DA1.3@68.85,80.85 v1(69.35,80.85) ; v1(69.5,76.555) T1.16@70.745,76.555
  BOT w0.2: XS6.1@57.74,73.91 61.01,73.91 67.95,80.85 v1(69.35,80.85) 69.85,80.35 69.85,76.905 v1(69.5,76.555)
ROW0: HL7.2 HL8.2 HL9.2 HL10.2 HL11.2 HL12.2 HL13.2 HL14.2 HL15.2 HL16.2 HL17.1 HL18.1 HL19.1 HL20.1 HL21.1 HL22.1 HL23.1 HL24.1 HL25.1 HL26.1 R35.1 | length 64.6
  TOP w0.2: HL15.2@78.9,64.266 79.254,63.913 v1(79.324,63.913) 79.395,63.913 HL25.1@79.749,63.559 ; HL7.2@78.9,73.6 v1@79.254,73.246 ; v1@79.395,73.246 HL17.1@79.749,72.893 HL10.2@78.9,72.044 79.254,71.691 79.395,71.691 HL20.1@79.749,71.337 ; HL8.2@82.011,73.6 v1@82.365,73.246 ; v1@82.506,73.246 HL18.1@82.86,72.893 ; HL16.2@88.234,62.71 88.587,62.357 v1(88.658,62.357) 88.729,62.357 HL26.1@89.082,62.003 ; HL12.2@88.234,70.489 88.587,70.135 v1(88.658,70.135) 88.729,70.135 HL22.1@89.082,69.782 HL13.2@88.234,68.933 88.587,68.579 88.729,68.579 HL23.1@89.082,68.226 ; HL9.2@88.234,73.6 88.587,73.246 v1(88.658,73.246) 88.729,73.246 HL19.1@89.082,72.893 ; HL9.2@88.234,73.634 R35.1@89.5,74.9 ; HL14.2@91.345,67.377 91.699,67.024 v1(91.769,67.024) 91.84,67.024 HL24.1@92.194,66.67 ; HL11.2@91.345,72.044 91.699,71.691 v1(91.769,71.691) 91.84,71.691 HL21.1@92.194,71.337
  PWR w0.2: v1(88.658,62.357) 90.5,64.199 90.5,65.755 v1(91.769,67.024) ; v1(88.658,73.246) 88.658,72.442 89.7,71.4 90.8,71.4 91.091,71.691 v1(91.769,71.691)
  BOT w0.2: v1(79.324,63.913) 79.324,67.176 78.5,68 78.5,72.422 v1(79.324,73.246) v1(82.436,73.246) 83.182,72.5 85.9,72.5 86.7,73.3 88.604,73.3 v1(88.658,73.246) v1(88.658,70.135) ; v1(88.658,62.357) 88.718,62.297 88.718,61.782 89.1,61.4 92.2,61.4 93.4,62.6 93.4,68 92.5,68.9 92.5,70.96 v1(91.769,71.691)
ROW1: HL7.1 HL17.2 HL27.2 HL28.2 HL29.2 HL30.2 HL31.2 HL32.2 HL33.2 HL34.2 HL35.2 HL36.1 HL37.1 HL38.1 HL39.1 HL40.1 HL41.1 HL42.1 HL43.1 HL44.1 R36.1 | length 67.5
  TOP w0.2: HL7.1@78.193,72.893 78.193,73.843 78.6,74.25 v1(79.806,74.25) HL17.2@80.456,73.6 80.456,72.964 81.375,72.044 HL29.2@82.011,72.044 82.365,71.691 82.506,71.691 HL38.1@82.86,71.337 ; HL34.2@82.011,64.266 82.365,63.913 82.506,63.913 HL43.1@82.86,63.559 ; HL27.2@85.123,73.6 85.476,73.246 v1(85.547,73.246) 85.618,73.246 HL36.1@85.971,72.893 ; R36.1@90.7,74.9 90.7,74.245 HL28.2@91.345,73.6 91.699,73.246 v1(91.769,73.246) 91.84,73.246 HL37.1@92.194,72.893 ; HL35.2@91.345,62.71 91.699,62.357 v1(91.769,62.357) 91.84,62.357 HL44.1@92.193,62.003 ; HL31.2@91.345,70.489 91.699,70.135 91.734,70.1 v1(91.75,70.1) 91.805,70.1 91.84,70.135 HL40.1@92.194,69.782 HL32.2@91.345,68.933 91.699,68.579 91.84,68.579 HL41.1@92.194,68.226 ; HL33.2@94.456,67.377 94.496,67.377 94.845,67.028 v1(94.885,67.028) ; HL30.2@94.456,72.044 94.81,71.691 v1(94.881,71.691) 94.951,71.691 HL39.1@95.305,71.337 ; v1@94.881,67.024 94.951,67.024 HL42.1@95.305,66.67
  PWR w0.2: v1(82.435,63.913) 85.248,61.1 90.512,61.1 v1(91.769,62.357)
  BOT w0.2: v1(79.806,74.25) 82.95,74.25 83.954,73.246 v1(85.547,73.246) 87.2,74.9 92.7,74.9 93.325,74.275 93.325,73.246 ; v1(91.769,62.357) 92.9,63.488 92.9,67.7 91.75,68.85 v1(91.75,70.1) 91.75,70.85 91.1,71.5 91.1,72.577 v1(91.769,73.246) 93.325,73.246 ; v1(94.885,67.028) 94.3,67.613 94.3,69.8 94.881,70.381 v1(94.881,71.691) 93.325,73.246
ROW2: HL8.1 HL18.2 HL27.1 HL36.2 HL45.2 HL46.2 HL47.2 HL48.2 HL49.2 HL50.2 HL51.2 HL52.2 HL53.1 HL54.1 HL55.1 HL56.1 HL57.1 HL58.1 HL59.1 HL60.1 R37.1 | length 74.4
  TOP w0.2: HL47.2@78.9,70.489 v1@79.254,70.135 ; v1(79.324,70.135) 78.089,68.9 77.7,68.9 77.19,68.39 77.19,66.61 77.95,65.85 78.681,65.85 78.71,65.822 HL50.2@78.9,65.822 79.254,65.468 79.395,65.468 HL58.1@79.749,65.115 ; v1@79.395,70.135 HL55.1@79.749,69.782 ; HL8.1@81.304,72.893 81.304,73.954 81.6,74.25 82.917,74.25 HL18.2@83.567,73.6 ; HL51.2@85.122,64.266 85.476,63.913 85.617,63.913 HL59.1@85.971,63.559 ; HL54.1@85.971,71.337 85.618,71.691 85.476,71.691 HL46.2@85.123,72.044 84.769,72.398 84.769,72.539 HL27.1@84.415,72.893 84.062,73.246 83.92,73.246 HL18.2@83.567,73.6 ; HL36.2@86.678,73.6 86.028,74.25 v1(84.217,74.25) HL18.2@83.567,73.6 ; R37.1@93.1,74.9 93.156,74.9 HL45.2@94.456,73.6 94.81,73.246 94.951,73.246 HL53.1@95.305,72.893 ; HL52.2@94.456,62.71 94.81,62.357 94.951,62.357 HL60.1@95.305,62.003 ; HL48.2@94.456,70.489 94.81,70.135 94.951,70.135 HL56.1@95.305,69.782 HL49.2@94.456,68.933 94.81,68.579 v1(94.881,68.579) 94.951,68.579 HL57.1@95.305,68.226
  PWR w0.2: v1(79.324,70.135) 79.324,69.524 78.6,68.8 78.6,68 81.9,64.7 82.9,64.7 83.687,63.913 v1(85.547,63.913) 87.859,61.6 90,61.6 91.5,63.1 94.137,63.1 v1(94.88,62.357) ; v1(84.217,74.25) 89.15,74.25 89.9,75 93.127,75 v1(94.881,73.246)
  BOT w0.2: v1(94.88,62.357) 95.6,63.076 95.6,67.3 94.896,68.004 94.896,68.564 v1(94.881,68.579) 94.881,69.481 95.5,70.1 95.5,72.1 94.881,72.719 v1(94.881,73.246)
ROW3: HL9.1 HL19.2 HL28.1 HL37.2 HL45.1 HL53.2 HL61.2 HL62.2 HL63.2 HL64.2 HL65.2 HL66.2 HL67.1 HL68.1 HL69.1 HL70.1 HL71.1 HL72.1 R38.1 | length 48.8
  TOP w0.2: HL63.2@78.9,68.933 79.254,68.58 v1(79.324,68.58) ; v1@79.419,68.58 v1@79.395,68.58 ; HL70.1@79.749,66.67 79.395,67.024 79.254,67.024 HL64.2@78.9,67.377 HL69.1@79.749,68.226 v1@79.395,68.58 ; HL65.2@82.011,65.822 82.365,65.468 v1(82.436,65.468) 82.506,65.468 HL71.1@82.86,65.115 ; HL62.2@82.011,70.489 82.365,70.135 82.436,70.135 ; HL68.1@82.86,69.782 82.506,70.135 82.436,70.135 ; HL9.1@87.527,72.893 87.88,72.539 87.88,72.398 HL61.2@88.234,72.044 88.587,71.691 88.658,71.691 ; HL66.2@88.234,64.266 88.587,63.913 v1(88.658,63.913) 88.729,63.913 HL72.1@89.082,63.559 ; HL67.1@89.082,71.337 88.729,71.691 88.658,71.691 ; HL19.2@89.789,73.6 90.143,73.246 v1(90.214,73.246) ; HL37.2@92.901,73.6 93.254,73.246 93.325,73.246 ; R38.1@94.3,74.9 95.15,74.05 95.562,74.05 HL53.2@96.012,73.6 96.012,72.822 95.429,72.239 95.061,72.239 94.407,72.893 HL45.1@93.749,72.893 93.396,73.246 93.325,73.246 ; v1(79.324,68.58) v1@79.395,68.58 ; v1(79.324,68.58) 80.28,69.535 80.715,69.535 81.122,69.128 81.428,69.128 82.436,70.135 ; 88.658,71.691 v1(90.214,73.246) ; v1(90.214,73.246) 90.284,73.246 HL28.1@90.638,72.893 91.307,72.893 91.961,72.239 92.318,72.239 93.325,73.246
  PWR w0.2: v1(79.324,68.58) 80.104,67.8 v1(82.436,65.468) 82.932,65.468 83.7,64.7 87.871,64.7 v1(88.658,63.913)
  BOT w0.2: v1(88.658,63.913) 88,64.571 88,67.6 89.5,69.1 89.5,72.533 v1(90.214,73.246)
ROW4: HL10.1 HL20.2 HL29.1 HL38.2 HL46.1 HL54.2 HL61.1 HL67.2 HL73.2 HL74.2 HL75.2 HL76.2 HL77.2 HL78.1 HL79.1 HL80.1 HL81.1 HL82.1 R39.1 | length 45.5
  TOP w0.2: HL10.1@78.193,71.337 78.935,71.337 79.589,70.684 79.873,70.684 v1(80.88,71.691) ; HL20.2@80.456,72.044 v1@80.809,71.691 ; v1@80.951,71.691 HL29.1@81.304,71.337 ; HL74.2@82.011,68.933 82.365,68.58 v1(82.436,68.58) 82.506,68.58 HL79.1@82.86,68.226 HL75.2@82.011,67.377 82.365,67.024 82.506,67.024 HL80.1@82.86,66.67 ; HL38.2@83.567,72.044 83.92,71.691 v1(83.991,71.691) 84.062,71.691 HL46.1@84.415,71.337 84.769,70.984 84.769,70.842 HL73.2@85.123,70.489 85.476,70.135 85.547,70.135 ; HL76.2@85.122,65.822 85.476,65.468 v1(85.547,65.468) 85.617,65.468 HL81.1@85.971,65.115 ; HL78.1@85.971,69.782 85.617,70.135 85.547,70.135 ; HL54.2@86.678,72.044 87.032,71.691 87.102,71.691 ; v1@90.394,72.044 HL67.2@89.789,72.044 89.789,71.267 89.223,70.7 88.906,70.7 88.269,71.337 HL61.1@87.527,71.337 87.173,71.691 87.102,71.691 ; HL77.2@91.345,64.266 91.699,63.913 v1(91.769,63.913) 91.84,63.913 HL82.1@92.193,63.559 ; v1(91.9,74.25) R39.1@91.9,74.9 ; 85.547,70.135 87.102,71.691
  BOT w0.2: v1(83.991,71.691) v1(80.88,71.691) 80.88,70.135 v1(82.436,68.58) 83.265,67.75 84.3,67.75 84.75,67.3 84.75,66.265 v1(85.547,65.468) ; v1@90.394,72.044 90.394,72.494 91,73.1 91,74 91.25,74.25 v1(91.9,74.25) ; v1(90.394,72.094) 90.394,71.206 91,70.6 91,64.682 v1(91.769,63.913)
ROW5: HL11.1 HL21.2 HL30.1 HL39.2 HL47.1 HL55.2 HL62.1 HL68.2 HL73.1 HL78.2 HL83.2 HL84.2 HL85.2 HL86.2 HL87.1 HL88.1 HL89.1 HL90.1 R40.1 | length 60.1
  TOP w0.2: v1(77.765,70.209) HL47.1@78.193,69.782 ; HL55.2@80.456,70.489 80.809,70.135 80.88,70.135 ; HL62.1@81.304,69.782 80.951,70.135 80.88,70.135 ; v1@83.92,70.135 HL68.2@83.567,70.489 82.911,70.489 82.309,71.091 81.835,71.091 81.795,71.05 80.88,70.135 ; v1@84.062,70.135 HL73.1@84.415,69.782 84.769,69.428 84.769,69.287 HL83.2@85.123,68.933 85.476,68.58 85.617,68.58 HL87.1@85.971,68.226 ; HL84.2@85.123,67.377 v1@85.476,67.024 ; v1@85.617,67.024 HL88.1@85.971,66.67 86.68,66.67 87.528,65.822 HL85.2@88.234,65.822 88.587,65.468 88.729,65.468 HL89.1@89.082,65.115 ; HL78.2@86.678,70.489 v1@87.283,70.489 ; HL11.1@90.638,71.337 91.274,71.337 91.912,70.7 92.334,70.7 v1(93.325,71.691) 93.396,71.691 HL30.1@93.749,71.337 ; HL21.2@92.901,72.044 93.254,71.691 v1@93.291,71.691 ; HL86.2@94.456,64.266 94.81,63.912 94.951,63.912 HL90.1@95.305,63.559 ; R40.1@95.5,74.9 96.1,74.9 v1(96.8,74.2) 96.8,72.832 HL39.2@96.012,72.044
  PWR w0.2: v1(77.765,70.209) 79.856,72.3 81.826,72.3 v1(83.991,70.135) 86.883,70.135 87.647,70.9 92,70.9 92.75,71.65 93.284,71.65 v1(93.325,71.691) 93.791,71.691 94.5,72.4 96.1,72.4 96.8,73.1 v1(96.8,74.2)
  BOT w0.2: v1(85.547,67.024) 86.424,67.024 87.8,68.4 87.8,70.022 v1(87.283,70.539) ; v1(93.325,71.691) 93.9,71.116 93.9,64.893 v1(94.88,63.913)
ROW6: HL12.1 HL22.2 HL31.1 HL40.2 HL48.1 HL56.2 HL63.1 HL69.2 HL74.1 HL79.2 HL83.1 HL87.2 HL91.2 HL92.2 HL93.2 HL94.1 HL95.1 HL96.1 R41.1 | length 54.9
  TOP w0.2: v1(77.765,67.798) HL63.1@78.193,68.226 ; HL93.2@78.9,62.711 79.254,62.357 79.395,62.357 HL96.1@79.748,62.003 80.352,61.4 80.85,61.4 v1(81.25,61) R41.1@81.25,60.25 ; HL69.2@80.456,68.933 80.809,68.58 v1(80.88,68.58) 80.951,68.58 HL74.1@81.304,68.226 ; HL79.2@83.567,68.933 83.92,68.58 v1(83.991,68.58) 84.062,68.58 HL83.1@84.415,68.226 ; HL87.2@86.678,68.933 v1(87.102,69.357) HL12.1@87.527,69.782 ; HL91.2@88.234,67.377 88.587,67.024 v1(88.658,67.024) 88.729,67.024 HL94.1@89.082,66.67 ; HL22.2@89.789,70.489 90.143,70.135 v1(90.214,70.135) 90.284,70.135 HL31.1@90.638,69.782 ; HL92.2@91.345,65.822 91.699,65.468 v1(91.769,65.468) 91.84,65.468 HL95.1@92.194,65.115 ; HL40.2@92.901,70.489 93.254,70.135 v1(93.325,70.135) ; HL48.1@93.749,69.782 93.396,70.135 v1(93.325,70.135) ; HL56.2@96.012,70.489 95.311,70.489 94.7,71.1 94.29,71.1 v1(93.325,70.135)
  PWR w0.2: v1(77.765,67.798) 77.8,67.833 77.8,68.7 78.5,69.4 78.5,70.379 79.121,71 80.3,71 80.88,70.42 v1(80.88,68.58) 81.459,68 83.412,68 v1(83.991,68.58) 86.325,68.58 v1(87.102,69.357) 88.8,69.357 89.578,70.135 v1(90.214,70.135) 90.949,69.4 92.1,69.4 92.835,70.135 v1(93.325,70.135) 94,69.46 94,67.699 v1(91.769,65.468)
  BOT w0.2: v1(80.88,68.58) 80.88,62.32 81.25,61.95 v1(81.25,61) ; v1(88.658,67.024) 90.214,68.579 v1(90.214,70.135)
ROW7: HL13.1 HL23.2 HL32.1 HL41.2 HL49.1 HL57.2 HL64.1 HL70.2 HL75.1 HL80.2 HL84.1 HL88.2 HL91.1 HL94.2 HL97.2 HL98.2 HL99.1 HL100.1 R42.1 | length 41.6
  TOP w0.2: HL64.1@78.193,66.67 78.88,66.67 79.533,66.017 79.873,66.017 80.88,67.024 ; HL70.2@80.456,67.377 80.809,67.024 80.88,67.024 ; HL98.2@82.011,62.711 82.365,62.357 v1(82.435,62.357) 82.506,62.357 HL100.1@82.86,62.003 82.5,61.644 R42.1@82.5,60.25 ; HL80.2@83.567,67.377 83.92,67.024 v1(83.991,67.024) ; HL84.1@84.415,66.67 84.062,67.024 v1(83.991,67.024) ; HL91.1@87.527,66.67 87.173,67.024 87.032,67.024 HL88.2@86.678,67.377 ; HL23.2@89.789,68.933 90.143,68.579 90.284,68.579 HL32.1@90.638,68.226 ; HL41.2@92.901,68.933 93.254,68.579 93.325,68.579 ; HL97.2@94.456,65.822 94.81,65.468 94.951,65.468 HL99.1@95.305,65.115 96.315,65.115 96.614,65.414 96.614,67.553 96.012,68.155 ; HL57.2@96.012,68.933 96.012,68.155 ; 80.88,67.024 80.951,67.024 HL75.1@81.304,66.67 82.03,66.67 82.65,66.05 83.017,66.05 v1(83.991,67.024) ; v1(83.991,67.024) 84.967,68 85.419,68 85.819,67.6 86.456,67.6 HL88.2@86.678,67.377 ; HL88.2@86.678,67.377 HL13.1@87.527,68.226 88.224,68.226 88.9,67.55 89.1,67.55 89.273,67.377 HL94.2@89.789,67.377 HL32.1@90.638,68.226 ; HL32.1@90.638,68.226 91.324,68.226 91.95,67.6 92.345,67.6 93.325,68.579 ; 93.325,68.579 93.396,68.579 HL49.1@93.749,68.226 94.386,68.226 95.011,67.6 95.457,67.6 96.012,68.155
  BOT w0.2: v1(82.435,62.357) 83.25,63.171 83.25,66.283 v1(83.991,67.024)
ROW8: HL14.1 HL24.2 HL33.1 HL42.2 HL50.1 HL58.2 HL65.1 HL71.2 HL76.1 HL81.2 HL85.1 HL89.2 HL92.1 HL95.2 HL97.1 HL99.2 HL101.2 HL102.1 R43.1 | length 37.1
  TOP w0.2: HL50.1@78.193,65.115 78.885,65.115 79.55,64.45 79.862,64.45 80.88,65.468 80.951,65.468 HL65.1@81.304,65.115 81.976,65.115 82.578,64.513 83.036,64.513 v1(83.991,65.468) ; HL58.2@80.456,65.822 80.809,65.468 ; HL71.2@83.567,65.822 83.92,65.468 v1(83.991,65.468) ; R43.1@85,60.25 85,61.032 HL102.1@85.971,62.003 85.617,62.357 v1(85.547,62.357) 85.476,62.357 HL101.2@85.122,62.71 ; HL81.2@86.678,65.822 87.032,65.468 87.102,65.468 ; HL14.1@90.638,66.67 HL89.2@89.789,65.822 90.143,65.468 90.214,65.468 ; HL24.2@92.901,67.377 93.254,67.024 93.396,67.024 HL33.1@93.749,66.67 ; HL97.1@93.749,65.115 93.396,65.468 93.325,65.468 ; HL42.2@96.012,67.377 HL99.2@96.012,65.822 95.278,65.822 94.43,66.67 HL33.1@93.749,66.67 ; v1(83.991,65.468) 84.062,65.468 HL76.1@84.415,65.115 85.085,65.115 85.687,64.513 86.147,64.513 87.102,65.468 ; 87.102,65.468 87.173,65.468 HL85.1@87.527,65.115 88.235,65.115 88.85,64.5 89.245,64.5 90.214,65.468 ; 90.214,65.468 90.284,65.468 HL92.1@90.638,65.115 91.31,65.115 91.924,64.5 92.357,64.5 93.325,65.468 ; 93.325,65.468 93.254,65.468 HL95.2@92.901,65.822 HL33.1@93.749,66.67
  BOT w0.2: v1(83.991,65.468) 83.991,63.913 v1(85.547,62.357)
ROW9: HL15.1 HL25.2 HL34.1 HL43.2 HL51.1 HL59.2 HL66.1 HL72.2 HL77.1 HL82.2 HL86.1 HL90.2 HL93.1 HL96.2 HL98.1 HL100.2 HL101.1 HL102.2 R44.1 | length 33
  TOP w0.2: HL93.1@78.193,62.003 78.193,62.216 HL15.1@78.193,63.559 78.841,63.559 79.689,62.711 HL96.2@80.456,62.711 ; HL25.2@80.456,64.266 80.809,63.913 80.951,63.913 HL34.1@81.304,63.559 ; HL98.1@81.304,62.003 80.951,62.357 80.809,62.357 HL96.2@80.456,62.711 ; HL43.2@83.567,64.266 83.92,63.913 84.062,63.913 HL51.1@84.415,63.559 ; R44.1@83.75,60.25 83.75,61.338 HL101.1@84.415,62.003 84.062,62.357 83.92,62.357 HL100.2@83.567,62.71 ; HL59.2@86.678,64.266 87.032,63.913 87.173,63.913 HL66.1@87.527,63.559 ; HL72.2@89.789,64.266 90.143,63.913 90.284,63.913 HL77.1@90.638,63.559 91.291,63.559 91.9,62.95 92.362,62.95 93.325,63.913 ; 90.214,63.913 89.258,62.957 88.793,62.957 88.191,63.559 HL66.1@87.527,63.559 ; HL82.2@92.901,64.266 93.254,63.913 93.325,63.913 ; HL86.1@93.749,63.559 93.396,63.913 93.325,63.913 ; HL90.2@96.012,64.266 95.375,64.266 94.742,64.9 94.312,64.9 93.325,63.913 ; HL96.2@80.456,62.711 HL34.1@81.304,63.559 ; HL34.1@81.304,63.559 81.976,63.559 82.603,62.932 82.898,62.932 83.119,62.71 HL100.2@83.567,62.71 ; HL100.2@83.567,62.71 HL51.1@84.415,63.559 ; HL51.1@84.415,63.559 85.052,63.559 85.679,62.932 86.018,62.932 86.24,62.71 HL102.2@86.678,62.71 HL66.1@87.527,63.559
ROW10: HL16.1 HL26.2 HL35.1 HL44.2 HL52.1 HL60.2 R45.1 | length 15.7
  TOP w0.2: R45.1@86.25,60.25 86.25,60.727 HL16.1@87.527,62.003 88.23,61.3 89.935,61.3 HL35.1@90.638,62.003 ; HL26.2@89.789,62.71 90.143,62.357 90.284,62.357 HL35.1@90.638,62.003 ; HL44.2@92.901,62.71 93.254,62.357 93.396,62.357 HL52.1@93.749,62.003 ; HL60.2@96.012,62.71 96.012,61.662 95.7,61.35 94.403,61.35 HL52.1@93.749,62.003 ; HL35.1@90.638,62.003 91.341,61.3 93.046,61.3 HL52.1@93.749,62.003